# Altium PCB FPGA扩展板01.PcbDoc (continued)
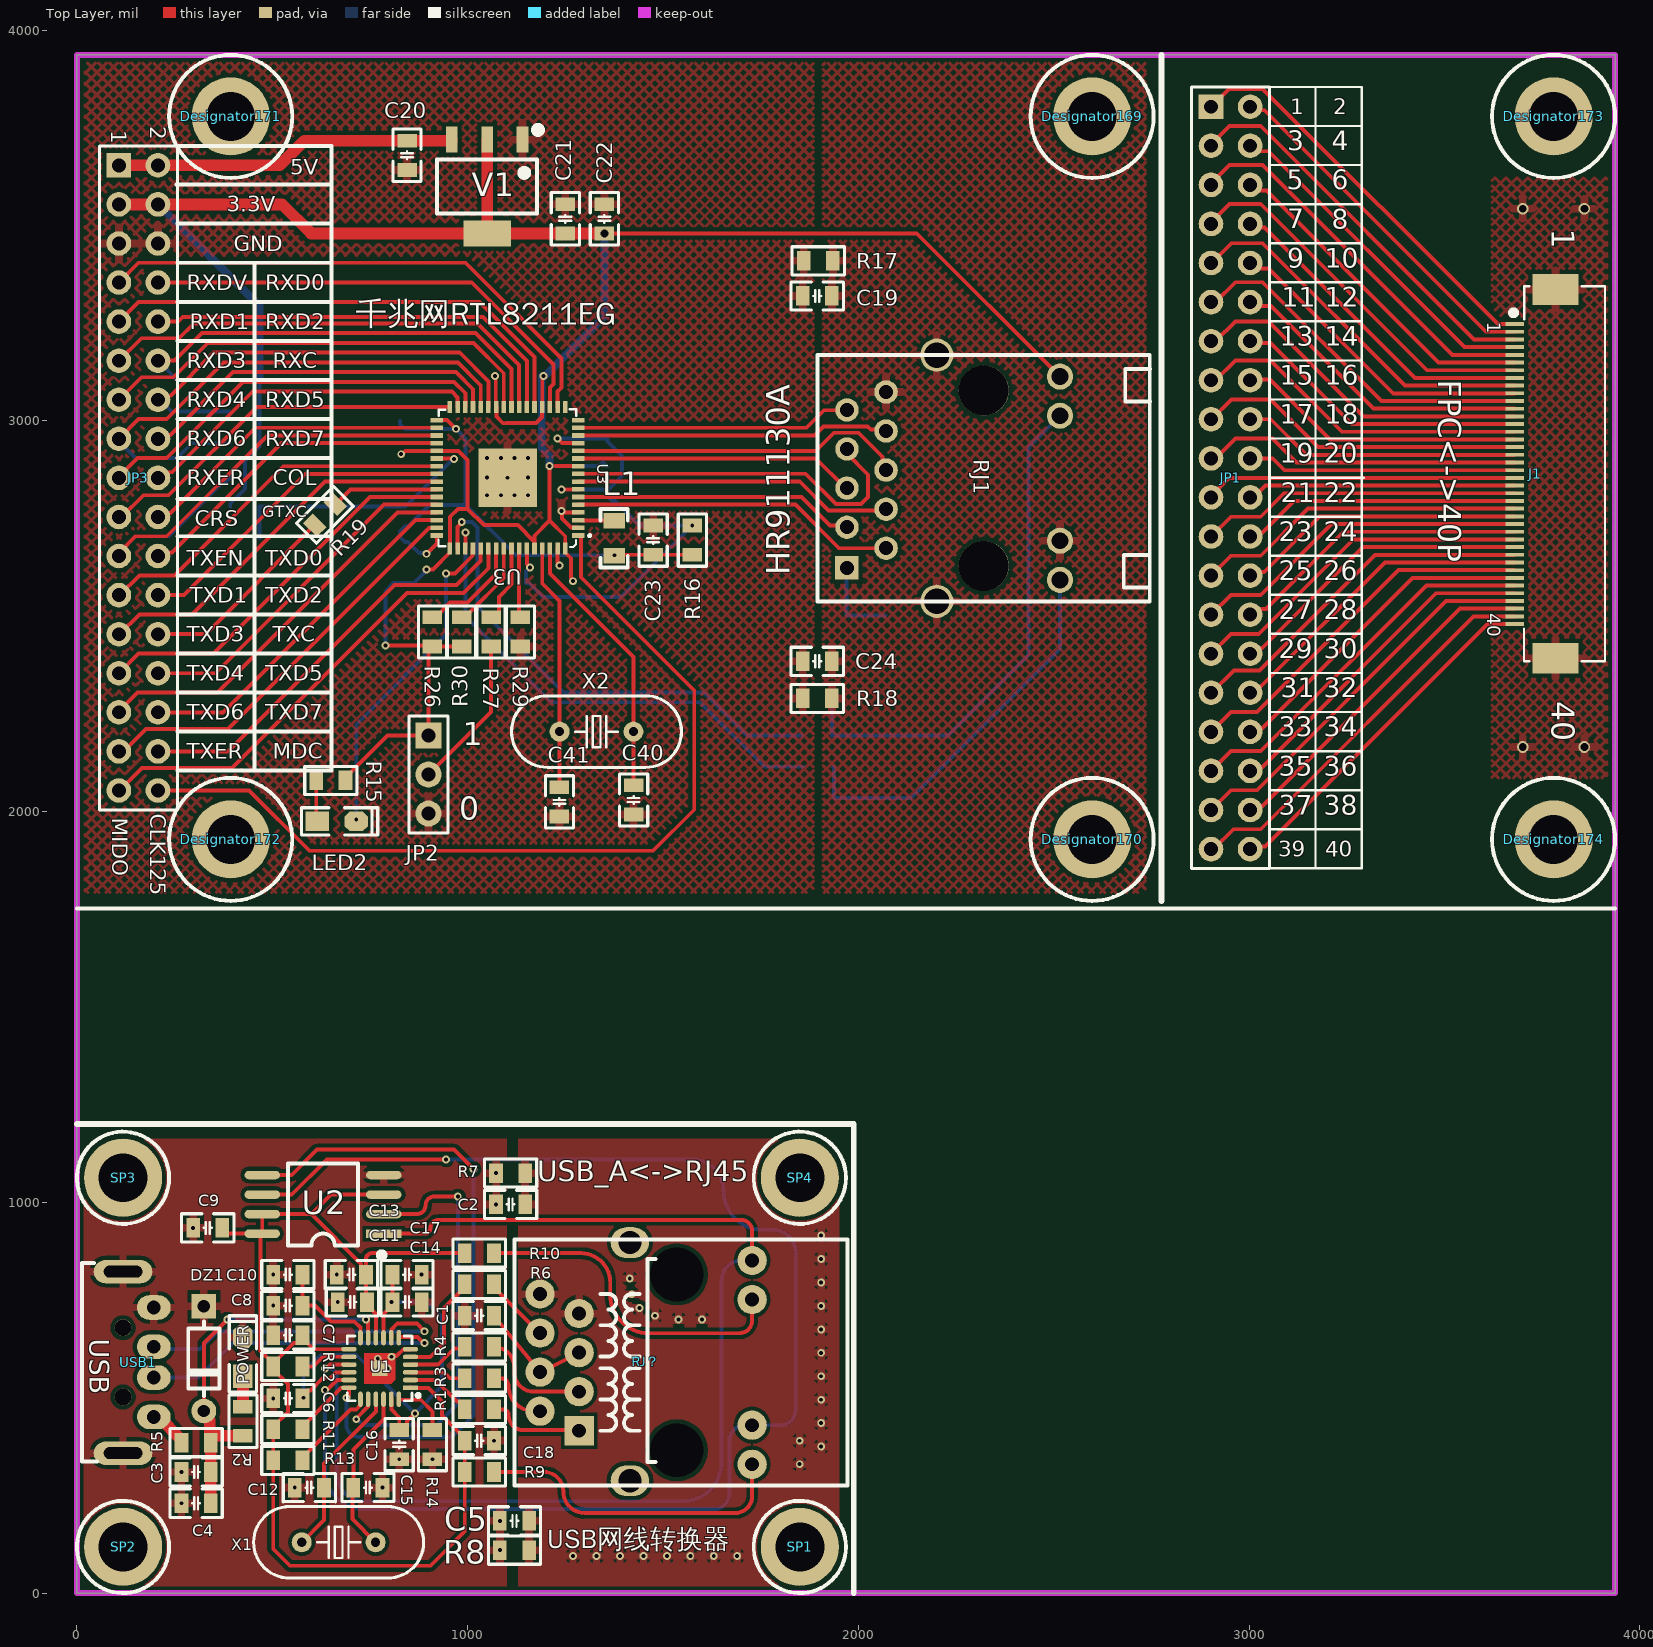
[diagram p0: Top Layer view]
## Nets (pads, with @x,y where several pads share a name; then routed paths per layer and width w, separated by ;. In a path a pad name is that pad's centre, name@x,y a point inside that pad or via, vN(x,y) a via of type N, cw(c..) or ccw(c..) an arc to the next point about the centre after c; other vN are vias at no path point)
1: J1.1 JP1.1 | length 1045.5
  Top Layer w10: JP1.1 2948.43,3850 3035,3850 3636.97,3248.03 J1.1
1V2_VDD: C6.2 C14.1 C16.2 C17.1 U1.9 U1.16 U1.23 | length 1323.9
  Top Layer w10: C6.2 577.4,505.83 589.9,518.33 597.4,518.33 629.07,550 647.37,550 662.53,565.16 U1.16 ; U1.9 784.84,714.74 807.6,737.5 C14.1 C17.1 ; U1.23 804.87,495.91 804.87,470.03 825,449.9 C16.2 832.5,417.4 845,429.9 845,440 v1(865,460)
  Bottom Layer w10: v1(580,500) 580,565 625,610 715,610 v1(865,460) 935,530 935,705 895,745 v1(805,745)
2: J1.2 JP1.2 | length 915.8
  Top Layer w10: JP1.2 3011.68,3795.41 3039.59,3795.41 3606.65,3228.35 J1.2
3: J1.3 JP1.3 | length 1026.5
  Top Layer w10: JP1.3 2902.76,3707.76 2950,3755 3030,3755 3576.34,3208.66 J1.3
3V3_VDD: C7.1 C9.2 C11.1 C13.1 C18.1 R9.1 R10.1 R11.2 R12.2 R13.1 U1.1 U1.10 U1.13 U2.3 U2.7 U2.8 | length 3270.3
  Top Layer w10: C9.2 372.4,932.5 384.9,920 U2.8 ; U1.13 605.7,624.21 577.4,652.5 564.9,640 555.1,640 R12.2@502.6,587.5 ; U1.10 765.16,714.75 742.4,737.5 C11.1 cw(c742.4,747.41) 740,747.41 C13.1 727.5,827.5 C13.1@727.5,835 ; U2.3 650,1020 600,970 ; U1.1 854.53,525 900,525 935,490 935,455.09 992.6,397.5 C18.1 R9.1 992.6,157.6 905,70 545,70 502.6,112.4 R13.1 R11.2 502.6,426.66 540,464.06 540,535.1 502.6,572.5 R12.2 R12.2@502.6,587.5 ; R10.1 755,870 ccw(c755,855) 740,855 740,822.5 C13.1@727.5,835 ; U2.8 470,915.51 470,620.1 R12.2@502.6,587.5 ; U2.8 U2.7 600,970 ; 600,970 727.5,842.5 C13.1@727.5,835
4: J1.4 JP1.4 | length 890.7
  Top Layer w10: JP1.4 3017.1,3704.33 3031.02,3690.41 3049.59,3690.41 3551.02,3188.98 J1.4
5: J1.5 JP1.5 | length 1001.4
  Top Layer w10: JP1.5 2902.76,3607.76 2950,3655 3035,3655 3520.71,3169.29 J1.5
5V_USB: C3.1 C4.1 DZ1.2 R2.1 R5.2 U1.11 | length 999.9
  Top Layer w10: DZ1.2@325,457.21 DZ1.2 325,640 v1(385,700) ; v1(740,700) 745.47,694.53 U1.11
  Top Layer w30: DZ1.2@325,457.21 339.9,442.32 339.9,387.5 R5.2 ; C4.1 342.4,377.49 R5.2 ; R2.1 352.5,402.6 342.4,392.5 R5.2
  Bottom Layer w10: v1(385,700) v1(740,700)
6: J1.6 JP1.6 | length 865.6
  Top Layer w10: JP1.6 3017.1,3604.33 3031.02,3590.41 3044.59,3590.41 3485.39,3149.61 J1.6
7: J1.7 JP1.7 | length 976.3
  Top Layer w10: JP1.7 2902.76,3507.76 2950,3555 3030,3555 3455.08,3129.92 J1.7
8: J1.8 JP1.8 | length 840.5
  Top Layer w10: JP1.8 3011.68,3495.41 3039.59,3495.41 3424.76,3110.24 J1.8
9: J1.9 JP1.9 | length 949.2
  Top Layer w10: JP1.9 2904.33,3404.33 2955,3455 3035,3455 3399.45,3090.55 J1.9
10: J1.10 JP1.10 | length 815.4
  Top Layer w10: JP1.10 3017.1,3404.33 3031.02,3390.41 3049.59,3390.41 3369.13,3070.87 J1.10
11: J1.11 JP1.11 | length 924.1
  Top Layer w10: JP1.11 2914.33,3304.33 2965,3355 3035,3355 3338.82,3051.18 J1.11
12: J1.12 JP1.12 | length 790.3
  Top Layer w10: JP1.12 3012.9,3294.19 3055.81,3294.19 3318.5,3031.5 J1.12
13: J1.13 JP1.13 | length 899
  Top Layer w10: JP1.13 2914.33,3204.33 2965,3255 3050,3255 3293.19,3011.81 J1.13
14: J1.14 JP1.14 | length 765.1
  Top Layer w10: JP1.14 3007.09,3200 3055,3200 3262.87,2992.13 J1.14
15: J1.15 JP1.15 | length 873.9
  Top Layer w10: JP1.15 2914.33,3104.33 2965,3155 3055,3155 3237.56,2972.44 J1.15
16: J1.16 JP1.16 | length 741.9
  Top Layer w10: JP1.16 3005.03,3106.61 3053.39,3106.61 3207.24,2952.76 J1.16
17: J1.17 JP1.17 | length 848.7
  Top Layer w10: JP1.17 2904.33,3004.33 2955,3055 3055,3055 3176.93,2933.07 J1.17
18: J1.18 JP1.18 | length 714.9
  Top Layer w10: JP1.18 3055.67,3004.33 3146.61,2913.39 J1.18
19: J1.19 JP1.19 | length 823.6
  Top Layer w10: JP1.19 2914.33,2904.33 2965,2955 3060,2955 3121.3,2893.7 J1.19
20: J1.20 JP1.20 | length 689.8
  Top Layer w10: JP1.20 3060.67,2904.33 3090.98,2874.02 J1.20
21: J1.21 JP1.21 | length 800
  Top Layer w10: JP1.21 2902.76,2807.76 2949.33,2854.33 J1.21
22: J1.22 JP1.22 | length 689.8
  Top Layer w10: JP1.22 3012.23,2804.33 3042.54,2834.65 J1.22
23: J1.23 JP1.23 | length 823.1
  Top Layer w10: JP1.23 2953.43,2755 3030,2755 3089.96,2814.96 J1.23
24: J1.24 JP1.24 | length 714.9
  Top Layer w10: JP1.24 3012.9,2714.47 3034.47,2714.47 3115.28,2795.28 J1.24
25: J1.25 JP1.25 | length 848.2
  Top Layer w10: JP1.25 2953.43,2655 3030,2655 3150.59,2775.59 J1.25
26: J1.26 JP1.26 | length 740
  Top Layer w10: JP1.26 3012.35,2613.92 3038.92,2613.92 3180.91,2755.91 J1.26
27: J1.27 JP1.27 | length 873.3
  Top Layer w10: JP1.27 2953.43,2555 3030,2555 3211.22,2736.22 J1.27
28: J1.28 JP1.28 | length 765.1
  Top Layer w10: JP1.28 3017.1,2504.33 3031.69,2518.92 3043.92,2518.92 3241.54,2716.54 J1.28
29: J1.29 JP1.29 | length 898.4
  Top Layer w10: JP1.29 2953.43,2455 3025,2455 3266.85,2696.85 J1.29
30: J1.30 JP1.30 | length 790.3
  Top Layer w10: JP1.30 3017.1,2404.33 3031.69,2418.92 3033.92,2418.92 3292.17,2677.17 J1.30
31: J1.31 JP1.31 | length 923.5
  Top Layer w10: JP1.31 2904.33,2304.33 2961.83,2361.83 3026.83,2361.83 3322.48,2657.48 J1.31
32: J1.32 JP1.32 | length 815.4
  Top Layer w10: JP1.32 3014.33,2304.33 3347.8,2637.8 J1.32
33: J1.33 JP1.33 | length 948.6
  Top Layer w10: JP1.33 2953.43,2255 3020,2255 3383.11,2618.11 J1.33
34: J1.34 JP1.34 | length 840.5
  Top Layer w10: JP1.34 3012.9,2214.47 3034.47,2214.47 3418.43,2598.43 J1.34
35: J1.35 JP1.35 | length 973.8
  Top Layer w10: JP1.35 2953.43,2155 3030,2155 3453.74,2578.74 J1.35
36: J1.36 JP1.36 | length 865.6
  Top Layer w10: JP1.36 3012.9,2114.47 3034.47,2114.47 3479.06,2559.06 J1.36
37: J1.37 JP1.37 | length 998.9
  Top Layer w10: JP1.37 2953.43,2055 3020,2055 3504.37,2539.37 J1.37
38: J1.38 JP1.38 | length 890.7
  Top Layer w10: JP1.38 3012.9,2014.47 3034.47,2014.47 3539.69,2519.69 J1.38
39: J1.39 JP1.39 | length 1024
  Top Layer w10: JP1.39 2909.33,1904.33 2960,1955 3030,1955 3575,2500 J1.39
40: J1.40 JP1.40 | length 915.8
  Top Layer w10: JP1.40 3009.85,1911.42 3041.42,1911.42 3610.32,2480.32 J1.40
+5: C20.2 JP3.1 JP3.2 V1.3 | length 880.6
  Top Layer w30: JP3.1 JP3.2 519.33,3654.33 582.4,3717.4 C20.2 959.21,3717.4 959.45,3717.63 V1.3
A1V0: C31.2 C32.2 C33.2 R16.2 U3.7 U3.13 U3.59 | length 1389.5
  Top Layer w10: U3.59 1151.6,2633.4 v1(1160,2625) ; v1(1230,2955) 1241.79,2943.21 U3.13 ; v1(1240,2825) 1240.05,2825.05 1283.44,2825.05 U3.7
  Bottom Layer w10: v1(1160,2625) 1160,2624.52 1150,2614.52 C33.2 1157.5,2585 1192.5,2550 1392.6,2550 v1(1575,2732.4) 1440.2,2732.4 1377.6,2795 1370.1,2795 1357.6,2807.5 C31.2 ; v1(1230,2955) C32.2 1357.6,2947.5 1395,2910.1 1395,2859.9 1357.6,2822.5 C31.2 ; v1(1240,2825) 1347.6,2825 C31.2
AGND: C19.1 C20.1 C21.1 C22.1 C23.1 C24.1 C25.1 C26.1 C27.1 C28.1 C29.1 C30.1 C31.1 C32.1 C33.1 C34.1 C35.1 C38.2 C39.2 C40.2 C41.2 C42.2 JP2.3 JP3.5 JP3.6 R17.1 R18.1 R21.1 R29.1 U3.2 U3.4 U3.63 U3.65 V1.1 | length 162.2
  Top Layer w10: U3.63 1230.34,2637.36 1235,2632.71 v1(1235,2630) ; U3.2 1282.59,2727.59 1265.06,2727.59 1241.91,2750.73 1241.91,2768.09 v1(1240,2770) 1242.71,2770 1246.66,2766.05 U3.4
  other v1: 1050,2810 1085,2810 1120,2810 1155,2810 1050,2855 1102.39,2854.63 1155,2855 1050,2905 1085,2905 1120,2905 1155,2905
CLK125: JP3.34 U3.1 | length 2308
  Top Layer w10: JP3.34 440.67,2054.33 595,1900 1475,1900 1580,2005 1580,2310 1290,2600 1290,2706.09 1289.09,2706.99 U3.1
D1V0: C23.2 C34.2 C35.2 L1.2 R16.1 U3.33 U3.48 | length 1407.9
  Top Layer w10: v1(895,2660) 921.29,2686.29 U3.48 ; U3.33 947.73,3002.27 v1(970,2980) ; L1.2 v1(1376.3,2656.3) 1377.6,2657.6 R16.1
  Bottom Layer w10: C34.2 827.4,2992.5 839.9,2980 v1(970,2980) 995,2955 995,2785 ; v1(895,2660) 893.09,2661.91 875.49,2661.91 847.4,2690 839.9,2690 827.4,2702.5 C35.2 827.4,2717.5 839.9,2730 847.4,2730 902.4,2785 995,2785 ; v1(1376.3,2656.3) 1123.7,2656.3 995,2785
D3V3: C21.2 C22.2 C25.2 C26.2 C27.2 C28.2 C29.2 C30.2 JP2.1 JP3.3 JP3.4 R15.1 R23.1 R24.1 R25.1 R26.1 R28.1 R30.1 RJ1.14 U3.10 U3.20 U3.26 U3.37 U3.49 U3.60 U3.64 V1.2 | length 7094.4
  Top Layer w10: R15.1 687.4,2087.5 794.9,2195 JP2.1 900,2412.6 R26.1 ; v1(790,2425) 907.6,2425 R26.1 ; v1(830,2915) 832.71,2915 841.24,2923.53 U3.37 976.47,2923.53 1000,2900 1000,2775 ; v1(895,2620) 911.07,2620 955,2663.93 955,2755 975,2775 1000,2775 ; R30.1 R26.1 ; v1(1070.09,3114.91) 1071.96,3113.04 1071.96,3038.77 1073.93,3036.8 U3.26 1073.77,3034.83 1073.77,3011.23 1090.86,2994.14 1099.14,2994.14 1100,2995 1175,2995 1190.07,3010.07 1190.07,3034.83 U3.20 1190.97,3111.31 v1(1194.66,3115) ; 1170.39,2691.96 1128.87,2733.48 1041.52,2733.48 1000,2775 ; U3.60 1171.29,2706.29 1210,2745 ; v1(1210,2885) 1210,2745 ; 1225,2885 1245.12,2885 ; 1225.42,2884.58 1283.07,2884.58 U3.10 ; v1(1270,2590) 1270,2592.71 1265,2597.71 1265,2648.72 1250.03,2663.69 1250.03,2704.97 1210,2745 ; v2(1350,3480) 2149.5,3480 RJ1.14
  Top Layer w30: JP3.3 JP3.4 525,3554.33 599.33,3480 V1.2@1050,3480 ; V1.2@1050,3720 V1.2@1050,3480 ; v2(1350,3480) C21.2 V1.2@1050,3480
  Bottom Layer w10: R28.1 392.6,2788.5 430,2825.9 430,2898.09 467.4,2935.5 R25.1 R24.1 R23.1 ; v1(790,2425) 790,2564.14 810.86,2585 C27.2 862.5,2585 895,2617.5 v1(895,2620) ; v1(1210,2885) 1335.93,2885 1345.93,2895 1356.77,2884.16 C30.2
  Bottom Layer w20: JP3.4 467.4,3294.41 R23.1 ; C28.2 1190,2930 1210,2910 v1(1210,2885) ; v1(1194.66,3115) 1197.5,3115 1350,3267.5 v2(1350,3480)
DGND: C19.2 C24.2 C36.2 C37.2 R17.2 R18.2 RJ1.12 RJ1.P10 RJ1.SHIELD0 RJ1.SHIELD1
E_COL: JP3.18 U3.31 | length 889.2
  Top Layer w10: JP3.18 221.82,2854.33 236.27,2868.78 243.78,2868.78 450,3075 960,3075 974.44,3060.56 U3.31
E_CRS: JP3.19 U3.32 | length 963.8
  Top Layer w10: JP3.19 114.33,2754.33 170,2810 235,2810 460.73,3035.73 U3.32
E_ENSWREG: R27.2 U3.57 | length 202.2
  Top Layer w10: R27.2 1067.5,2497.4 1080,2509.9 1080,2550 1112.23,2582.23 U3.57
E_GTXC: JP3.20 U3.34 | length 808.4
  Top Layer w10: JP3.20 217.62,2764.47 239.47,2764.47 457.58,2982.58 U3.34
E_LED0: C38.1 R20.2 RJ1.13 | length 1324.5
  Bottom Layer w10: C38.1 R20.2 2230,2195 2436,2401 2436,2933.39 RJ1.13
E_LED1: C39.1 R22.2 RJ1.11 | length 994.9
  Bottom Layer w10: R22.2 1937.4,2112.6 C39.1 2135,2035 2516.06,2416.06 RJ1.11
E_MDC: JP3.32 U3.53 | length 1059.6
  Top Layer w10: JP3.32 386.81,2154.33 812.48,2580 971.62,2580 1033.49,2641.88 U3.53
E_MDI0+: RJ1.P2 U3.5 | length 833.7
  Top Layer w10: U3.5 1839.27,2785.73 1950.66,2674.34 RJ1.P2
E_MDI0-: RJ1.P3 U3.6 | length 719.5
  Top Layer w10: U3.6 1854.58,2805.42 1927.09,2732.91 1966.39,2732.91 RJ1.P3
E_MDI1+: RJ1.P4 U3.8 | length 819.3
  Top Layer w10: U3.8 1850.21,2844.79 1923.76,2771.24 2067.96,2771.24 RJ1.P4
E_MDI1-: RJ1.P7 U3.9 | length 926.9
  Top Layer w10: U3.9 1284.02,2865 1865,2865 1942.76,2787.24 2007.24,2787.24 2025,2805 2025,2862.42 1971.06,2916.36 RJ1.P7
E_MDI2+: RJ1.P5 U3.11 | length 718.9
  Top Layer w10: U3.11 1891.16,2903.84 1966.76,2828.24 RJ1.P5
E_MDI2-: RJ1.P6 U3.12 | length 860.8
  Top Layer w10: U3.12 1891.17,2923.53 1937.64,2970 2000,2970 2061.54,2908.46 2061.54,2883.86 RJ1.P6
E_MDI3+: RJ1.P8 U3.14 | length 802
  Top Layer w10: U3.14 1887.9,2962.9 1911,2986 2024,2986 2031.91,2978.09 2067.31,2978.09 RJ1.P8
E_MDI3-: RJ1.P9 U3.15 | length 706.5
  Top Layer w10: U3.15 1867.58,2982.58 1912.5,3027.5 1970.31,3027.5 RJ1.P9
E_MIDO: JP3.33 U3.54 | length 1231.7
  Top Layer w10: JP3.33 109.33,2054.33 166.83,2111.83 396.83,2111.83 845,2560 990,2560 1053.18,2623.18 U3.54
E_PME: R26.2 U3.55 | length 274.3
  Top Layer w10: R26.2 917.5,2497.4 955.1,2535 1000,2535 1072.86,2607.86 U3.55
E_RESET: C42.1 R28.2 U3.38 | length 673.2
  Top Layer w10: U3.38 963.69,2903.84 v1(965,2902.53)
  Bottom Layer w10: C42.1 R28.2 841,2781 962.53,2902.53 v1(965,2902.53)
E_RXC: JP3.12 R23.2 U3.24 | length 1274.8
  Top Layer w10: JP3.12 249.33,3154.33 320,3225 1020,3225 1112.23,3132.77 U3.24
  Bottom Layer w10: JP3.12 256.81,3105 R23.2
E_RXD0: JP3.8 U3.19 | length 1212.4
  Top Layer w10: JP3.8 1010.67,3354.33 1220,3145 1220,3095 1210.66,3085.66 U3.19
E_RXD1: JP3.9 U3.21 | length 1271.3
  Top Layer w10: JP3.9 158.15,3305 1030,3305 1171.29,3163.71 U3.21
E_RXD2: JP3.10 U3.22 | length 1113.3
  Top Layer w10: JP3.10 259.33,3254.33 271,3266 1039,3266 1151.6,3153.4 U3.22
E_RXD3: JP3.11 U3.23 | length 1215.7
  Top Layer w10: JP3.11 164.98,3211.83 261.83,3211.83 300,3250 1025,3250 1131.92,3143.08 U3.23
E_RXD4: JP3.13 U3.25 | length 1164.1
  Top Layer w10: JP3.13 164.98,3111.83 246.83,3111.83 335,3200 1014.7,3200 1092.55,3122.15 U3.25
E_RXD5: JP3.14 R24.2 U3.27 | length 1190.4
  Top Layer w10: JP3.14 217.62,3064.47 239.47,3064.47 350,3175 980,3175 1054,3101 1054,3036.55 U3.27
  Bottom Layer w10: JP3.14 212.57,3054.33 242.9,3024 R24.2
E_RXD6: JP3.15 R25.2 U3.28 | length 1412.5
  Top Layer w10: JP3.15 158.15,3005 230,3005 375,3150 975,3150 1033.69,3091.31 1033.69,3035.92 U3.28
  Bottom Layer w10: JP3.15 107.48,2947.52 150,2905 256.05,2905 294.05,2943 R25.2
E_RXD7: JP3.16 U3.29 | length 940.6
  Top Layer w10: JP3.16 217.62,2964.47 239.47,2964.47 400,3125 970,3125 1013.81,3081.19 U3.29
E_RXDV: JP3.7 U3.18 | length 1383.3
  Top Layer w10: JP3.7 158.15,3405 995,3405 1240,3160 1240,3085 1230.34,3075.34 U3.18
E_RXER: JP3.17 U3.30 | length 1037.5
  Top Layer w10: JP3.17 107.48,2857.48 155,2905 230,2905 425,3100 965,3100 994.12,3070.88 U3.30
E_TXC: JP3.26 R19.1 | length 516.7
  Top Layer w10: JP3.26 208.15,2455 330,2455 R19.1
E_TXD0: JP3.22 U3.36 | length 833.5
  Top Layer w10: JP3.22 216.93,2663.78 243.78,2663.78 523.21,2943.21 U3.36
E_TXD1: JP3.23 U3.39 | length 950.4
  Top Layer w10: JP3.23 109.33,2554.33 160,2605 250,2605 529.16,2884.16 U3.39
E_TXD2: JP3.24 U3.40 | length 842.3
  Top Layer w10: JP3.24 274.33,2554.33 584.47,2864.47 U3.40
E_TXD3: JP3.25 U3.41 | length 975.5
  Top Layer w10: JP3.25 109.33,2454.33 160,2505 295,2505 634.79,2844.79 U3.41
E_TXD4: JP3.27 U3.43 | length 1000.7
  Top Layer w10: JP3.27 158.15,2405 350,2405 750,2805 920.87,2805 U3.43
E_TXD5: JP3.28 U3.44 | length 892.5
  Top Layer w10: JP3.28 354.33,2354.33 785.73,2785.73 U3.44
E_TXD6: JP3.29 U3.45 | length 1027.6
  Top Layer w10: JP3.29 107.48,2257.48 155,2305 360,2305 821.05,2766.05 U3.45
E_TXD7: JP3.30 U3.46 | length 917.6
  Top Layer w10: JP3.30 374.33,2254.33 866.36,2746.36 U3.46
E_TXEN: JP3.21 R21.2 U3.35 | length 1326.7
  Top Layer w10: JP3.21 107.48,2662.48 150,2705 230,2705 487.9,2962.9 U3.35
  Bottom Layer w10: JP3.21 107.48,2662.48 150,2705 235.61,2705 372.6,2841.99 380.1,2841.99 392.6,2854.49 R21.2
E_TXER: JP3.31 U3.47 | length 1050.9
  Top Layer w10: JP3.31 119.33,2154.33 176.83,2211.83 386.83,2211.83 900.78,2725.78 920.39,2725.78 U3.47
GND: C1.2 C2.1 C3.2 C4.2 C5.1 C6.1 C7.2 C8.2 C9.1 C10.2 C11.2 C12.1 C13.2 C14.2 C15.1 C16.1 C17.2 C18.2 DZ1.1 POWER.2 R7.1 R8.1 R14.2 U1.6 U1.25 U2.4 USB1.4 | length 129.1
  Top Layer w10: v1(805,605) 806.91,606.91 818.44,606.91 835.39,623.87 853.39,623.87 U1.6
  Bottom Layer w10: v1(795,575) v1(770,600) 772.71,600 777.71,605 v1(805,605)
  other v1: 1082.6,110 1082.6,185 267.6,230 557.6,270 782.4,270 267.6,310 825,342.6 910,342.6 1067.4,390 502.6,498.33 502.6,735.84 667.6,745 502.6,815 665.2,815 882.4,815 297.6,935 1072.6,995 1072.6,1075
GND-1: J1.A J1.B
  other v2: 3700.79,2165.35 3858.27,2165.35 3700.79,3543.31 3858.27,3543.31
GNDF: C2.2 C5.2 R7.2 R8.2 RJ？.7 RJ？.8
  other v1: 1270,95 1330,95 1390,95 1450,95 1510,95 1570,95 1630,95 1690,95 1850,330 1905,375 1850,390 1905,435 1905,495 1905,555 1905,615 1905,675 1540,700 1600,700 1480,710 1440,730 1905,735 1420,765 1905,795 1415,805 1905,855 1905,915
LED0/SPISB: RJ？.12 U1.15 U2.1 | length 3065.8
  Top Layer w10: v1(635,575) 637.71,575 647.55,584.84 U1.15 ; U2.1 890,920 ccw(c890,935) 905,935 cw(c925,935) 925,955 1700,955 cw(c1700,926.65) 1728.35,926.65 RJ？.12
  Bottom Layer w10: v1(635,575) 645.25,575 cw(c645.25,555.25) 665,555.25 665,305 ccw(c735,305) 735,235 1550,235 ccw(c1550,335) 1650,335 1650,800 cw(c1701.37,800) 1701.37,851.37 RJ？.12
LED1/SPISCK: RJ？.10 U1.17 U2.6 | length 3682.4
  Top Layer w10: U2.6 550,1020 640,1110 v1(945,1110) ; v1(635,520) 640,520 665.47,545.47 U1.17
  Bottom Layer w10: v1(635,520) 635,315 ccw(c735,315) 735,215 1630,215 ccw(c1630,255) 1670,255 1670,390 cw(c1709.72,390) 1709.72,429.72 RJ？.10 1800.28,429.72 ccw(c1800.28,469.45) 1840,469.45 1840,870 ccw(c1780,870) 1780,930 1755,930 cw(c1755,1030) 1655,1030 ccw(c1575,1030) 1575,1110 v1(945,1110)
LED2: LED2.2 U3.52 | length 830.7
  Top Layer w10: v1(945,2610) 967.8,2610 1012.91,2655.1 1012.91,2672.63 U3.52
  Bottom Layer w10: v1(715,1980) 715,2223.65 945,2453.65 v1(945,2610)
NetC1_1: C1.1 RJ？.4 RJ？.5 | length 298.5
  Top Layer w10: C1.1 1100.92,668.98 1173,580.77 RJ？.4 1282.94,613.05 RJ？.5
NetC8_1: C8.1 C10.1 U1.12 | length 276.5
  Top Layer w10: C10.1 C8.1 609.16,735.84 650,695 710,695 725.44,679.56 725.44,654.09 U1.12
NetC36_1: C36.1 C37.1 RJ1.P1 | length 221.7
  Bottom Layer w10: RJ1.P1 1970,2623 C37.1 C36.1
NetC40_1: C40.1 U3.62 X2.2 | length 697
  Top Layer w10: U3.62 1210.66,2609.34 1424.49,2395.51 X2.2 1424.49,2072.91 C40.1@1430,2067.4
NetC41_1: C41.1 U3.61 X2.1 | length 629
  Top Layer w10: U3.61 1190.97,2584.03 1235.51,2539.49 X2.1 1235.51,2069.29 C41.1@1240,2064.8
NetJP2_2: JP2.2 R27.1 | length 393.9
  Top Layer w10: JP2.2 1060,2255 R27.1
NetLED1_1: POWER.1 R2.2 | length 77.6
  Top Layer w30: R2.2 POWER.1
NetLED2_1: LED2.1 R15.2 | length 106
  Top Layer w10: R15.2 612.6,1977.4 LED2.1
NetR1_2: R1.2 RJ？.1 | length 248.9
  Top Layer w10: R1.2 1090,470 cw(c1090,455) 1105,455 ccw(c1142.95,455) 1142.95,417.05 1283.94,417.05 RJ？.1
NetR3_2: R3.2 RJ？.2 | length 166.2
  Top Layer w10: R3.2 1085,550 cw(c1085,530) 1105,530 ccw(c1169.45,530) 1105.4,522.81 ccw(c1169.45,530) 1169.45,465.55 RJ？.2
NetR4_2: R4.2 RJ？.3 | length 288.8
  Top Layer w10: R4.2 cw(c1067.4,577.59) 1119.8,577.59 1119.8,564.84 ccw(c1169.09,564.84) 1158.52,516.7 ccw(c1169.09,564.84) 1169.09,515.55 RJ？.3
NetR5_1: R5.1 USB1.1 | length 102.5
  Top Layer w30: USB1.1 209.02,451.07 267.6,392.5 R5.1
NetR6_2: R6.2 RJ？.6 | length 174
  Top Layer w10: R6.2 1067.4,782.5 1184.34,665.55 RJ？.6
NetR9_2: R9.2 RJ？.9 | length 827
  Top Layer w10: R9.2 1195,310 cw(c1195,260) 1245,260 ccw(c1300,260) 1300,205 1685,205 ccw(c1685,248.35) 1728.35,248.35 RJ？.9
NetR10_2: R10.2 RJ？.11 | length 862.9
  Top Layer w10: R10.2 1290,870 cw(c1290,795) 1365,795 1365,765 ccw(c1465,765) 1465,665 1695,665 ccw(c1695,698.35) 1728.35,698.35 RJ？.11
NetR12_1: R12.1 U1.14 | length 129.3
  Top Layer w10: R12.1 605,580 629.87,604.87 695.91,604.87 U1.14
NetR13_2: R13.2 U1.19 | length 224.7
  Top Layer w10: R13.2 577.4,347.5 699.9,470 715,470 724.88,479.88 724.88,481.08 725.44,481.64 U1.19@725.44,494.51
NetR14_1: R14.1 U1.24 | length 146.6
  Top Layer w10: U1.24 824.21,495.84 825.05,495 880,495 910,465 R14.1
NetR19_2: R19.2 U3.42 | length 275.9
  Top Layer w10: R19.2 700.11,2825.1 U3.42
NetR20_1: R20.1 U3.50 | length 1289.9
  Top Layer w10: U3.50 974.03,2673.95 974.03,2729.03 985,2740 v1(985,2741.25)
  Bottom Layer w10: v1(985,2741.25) 1011.25,2741.25 1025,2727.5 1025,2525 1245,2305 1605,2305 1715,2195 R20.1
NetR22_1: R22.1 U3.51 | length 1281.4
  Top Layer w10: U3.51 995.03,2674.44 v1(995.03,2714.97)
  Bottom Layer w10: v1(995.03,2714.97) 995.03,2499.97 1215,2280 1595,2280 1760,2115 R22.1
NetR29_2: R29.2 U3.58 | length 176.9
  Top Layer w10: R29.2@1130,2497.4 1131.92,2499.32 U3.58
NetR30_2: R30.2 U3.56 | length 225.1
  Top Layer w10: R30.2 992.5,2497.4 1005,2509.9 1092.55,2597.45 U3.56
REG_1V0: L1.1 U3.3 | length 92.1
  Top Layer w10: U3.3 1293.34,2746.36 1294.7,2745 L1.1
RX_N: R6.1 U1.5 | length 272.7
  Top Layer w10: U1.5 904.53,604.53 940,640 940,729.9 992.6,782.5 R6.1
RX_P: R4.1 U1.4 | length 157.6
  Top Layer w10: U1.4 924.84,584.84 965.95,625.95 988.55,625.95 R4.1
SPISDI: R11.1 U1.18 U2.5 | length 1848.8
  Top Layer w10: U2.5 550,1070 615,1135 965,1135 v1(1015,1085) ; R11.1 577.4,426.66 676.18,525.44 695.91,525.44 U1.18 696.26,506.26 v1(690,500)
  Bottom Layer w10: v1(690,500) 690,430 ccw(c720,430) 720,400 960,400 1015,455 v1(1015,1085)
SPISDO: U1.20 U2.2 | length 1098
  Top Layer w10: v1(715,445) 715,447.37 745.13,477.5 745.13,495.91 U1.20 ; U2.2 870,970 ccw(c870,992.5) 892.5,992.5 cw(c915,992.5) 915,1015 v1(975,1015)
  Bottom Layer w10: v1(715,445) 717.71,445 732.71,430 920,430 975,485 v1(975,1015)
TX_N: R3.1 U1.3 | length 145.1
  Top Layer w10: U1.3 939.84,565.16 955,550 R3.1
TX_P: R1.1 U1.2 | length 174.5
  Top Layer w10: U1.2 917.12,545.47 972.6,490 980.1,490 992.6,477.5 R1.1
USB_DM: U1.7 USB1.2 | length 802.5
  Top Layer w10: U1.7 824.21,654.16 825.05,655 872.29,655 887.29,640 v1(890,640)
  Bottom Layer w10: USB1.2 311.7,551.7 400,640 v1(890,640)
USB_DP: U1.8 USB1.3 | length 835
  Top Layer w10: U1.8 804.87,654.09 804.87,674.87 820,690 870,690 v1(890,670)
  Bottom Layer w10: USB1.3 202.29,625 315,625 360,670 v1(890,670)
XTAL1: C12.2 U1.21 X1.2 | length 444.8
  Top Layer w10: X1.2 632.4,186.89 C12.2 632.4,332.4 765.16,465.16 U1.21
XTAL2: C15.2 U1.22 X1.1 | length 424
  Top Layer w10: X1.1 705,189.49 705,267.4 C15.2 707.6,367.6 784.84,444.84 U1.22
pads on no net: Designator169.1 Designator170.1 Designator171.1 Designator172.1 Designator173.1 Designator174.1 RJ1. RJ？.0 SP1.1 SP2.1 SP3.1 SP4.1 U3.16 U3.17 USB1.0

## Polygon pours and split planes (outlines as drawn)
DGND on Top Layer "NONET_L01_P-001" (hatched 45Degree grid 20 track 8, remove dead copper, pour order 9): 1910,3940 1910,1770 1911.65,1771.65 2755.91,1771.65 2755.91,3937.01
AGND on Top Layer "NONET_L01_P-001" (hatched 45Degree grid 20 track 8, remove dead copper, pour order 7): 0,3937.01 0,1771.65 1883.35,1771.65 1885,1770 1885,3935
GND-1 on Top Layer "NONET_L01_P-001" (hatched 45Degree grid 20 track 8, remove dead copper, pour order 4): 3937.01,3622.05 3622.05,3622.05 3622.05,2086.61 3937.01,2086.61
GNDF on Top Layer "NONET_L01_P-001" (solid, remove dead copper, pour order 2): 1130,1180.04 1130,0 1968.5,0 1968.5,1181.1
GND on Top Layer "NONET_L01_P-001" (solid, remove dead copper, pour order 0): -5,1190 0,1185 0,0 1100,0 1100,1180
DGND on Bottom Layer "NONET_L01_P-001" (hatched 45Degree grid 20 track 8, remove dead copper, pour order 8): 2755.91,1771.65 2754.25,1770 1915,1770 1915,3940 1917.99,3937.01 2755.91,3937.01
AGND on Bottom Layer "NONET_L01_P-001" (hatched 90Degree grid 20 track 8, remove dead copper, pour order 6): 0,3937.01 0,1771.65 1880,1771.65 1880,3940
GND-1 on Bottom Layer "NONET_L01_P-001" (hatched 45Degree grid 20 track 8, pour order 5): 3622.05,3622.05 3937.01,3622.05 3937.01,2086.61 3622.05,2086.61
GNDF on Bottom Layer "NONET_L01_P-001" (solid, remove dead copper, pour order 3): 1130,1180 1130,0 1968.5,0 1968.5,1181.1
GND on Bottom Layer "NONET_L01_P-001" (solid, remove dead copper, pour order 1): 1.1,1181.1 0,1180 0,0 1100,0 1100,1180

## Keep-outs
Keep-Out Layer:
  the board outline again, w15

## Silkscreen, mask and mechanical layers (free items; w line width, h text height)
Top Overlay:
  lines w6: 3052.24,1855 3288.46,1855 3288.46,3855 3052.24,3855 ; 3052.24,1955 3288.46,1955 ; 3052.24,2055 3288.46,2055 ; 3052.24,2155 3288.46,2155 ; 3052.24,2255 3288.46,2255 ; 3052.24,2355 3288.46,2355 ; 3052.24,2455 3288.46,2455 ; 3052.24,2555 3288.46,2555 ; 3052.24,2655 3288.46,2655 ; 3052.24,2755 3288.46,2755 ; 3052.24,2955 3288.46,2955 ; 3052.24,3055 3288.46,3055 ; 3052.24,3155 3288.46,3155 ; 3052.24,3255 3288.46,3255 ; 3052.24,3355 3288.46,3355 ; 3052.24,3455 3288.46,3455 ; 3052.24,3555 3288.46,3555 ; 3052.24,3655 3288.46,3655 ; 3052.24,3755 3288.46,3755 ; 3057.24,2855 3293.46,2855 ; 3170.35,1855 3170.35,3855
  lines w10: 0,1751.97 3937.01,1751.97 ; 255,3605 651.22,3605 ; 257.52,2105 651.22,2105 651.22,3605 ; 257.52,2205 651.22,2205 ; 257.52,2305 651.22,2305 ; 257.52,2405 651.22,2405 ; 257.52,2505 651.22,2505 ; 257.52,2605 651.22,2605 ; 257.52,2705 651.22,2705 ; 257.52,2800 651.22,2800 ; 257.52,2905 651.22,2905 ; 257.52,3005 651.22,3005 ; 257.52,3105 651.22,3105 ; 257.52,3205 651.22,3205 ; 257.52,3305 651.22,3305 ; 257.52,3405 651.22,3405 ; 257.52,3505 651.22,3505 ; 257.85,3704.33 651.55,3704.33 ; 454.37,2105 454.37,3405 ; 651.22,3704 651.22,3605
  lines w15: 0,1200.79 1988.19,1200.79 1988.19,0 ; 2775.59,1771.65 2775.59,3937.01
  text "3" at 3097.4,3676 h84
  text "4" at 3211.35,3676.23 h84
  text "5V" at 546.68,3630.01 h40
  text "5" at 3097.17,3576.93 h84
  text "6" at 3212.21,3576 h84
  text "3.3V" at 383.13,3535.01 h40
  text "1" at 3755.71,3491.79 h100 r270
  text "7" at 3097.6,3476.93 h84
  text "8" at 3212.28,3476 h84
  text "GND" at 401.05,3435.01 h40
  text "9" at 3097.32,3376 h84
  text "10" at 3194.06,3376 h84
  text "RXDV" at 281.69,3335.01 h40
  text "RXD0" at 481.69,3335.01 h40
  text "11" at 3084.19,3276 h84
  text "12" at 3194.26,3276 h84
  text "RXD1" at 288.35,3235.01 h40
  text "RXD2" at 481.69,3235.01 h40
  text "千兆网RTL8211EG" at 713.9,3227.2 h100
  text "13" at 3078.99,3176 h84
  text "14" at 3194.1,3176 h84
  text "RXD3" at 281.69,3135.01 h40
  text "RXC" at 501.68,3135.01 h40
  text "FPC<->40P" at 3464.88,3105.6 h100 r270
  text "15" at 3078.79,3076 h84
  text "16" at 3193.99,3076 h84
  text "RXD4" at 281.69,3035.01 h40
  text "RXD5" at 481.69,3035.01 h40
  text "17" at 3078.99,2976 h84
  text "18" at 3193.95,2976 h84
  text "RXD6" at 281.69,2935.01 h40
  text "RXD7" at 481.69,2935.01 h40
  text "19" at 3078.95,2876 h84
  text "20" at 3190.99,2876 h84
  text "RXER" at 281.69,2835.01 h40
  text "COL" at 501.68,2835.01 h40
  text "21" at 3081.12,2776 h84
  text "22" at 3191.19,2776 h84
  text "GTXC" at 475.02,2754.01 h30
  text "CRS" at 301.68,2730.01 h40
  text "23" at 3075.92,2676 h84
  text "24" at 3191.03,2676 h84
  text "TXEN" at 281.69,2630.01 h40
  text "TXD0" at 481.69,2630.01 h40
  text "HR911130A" at 1824.98,2605.08 h60 r90
  text "25" at 3075.72,2576 h84
  text "26" at 3190.92,2576 h84
  text "TXD1" at 288.35,2535.01 h40
  text "TXD2" at 481.69,2535.01 h40
  text "27" at 3075.92,2476 h84
  text "28" at 3190.88,2476 h84
  text "TXD3" at 281.69,2435.01 h40
  text "TXC" at 501.68,2435.01 h40
  text "29" at 3075.88,2376 h84
  text "30" at 3191.58,2376 h84
  text "TXD4" at 281.69,2335.01 h40
  text "TXD5" at 481.69,2335.01 h40
  text "40" at 3755.71,2282.13 h100 r270
  text "31" at 3081.71,2276 h84
  text "32" at 3191.77,2276 h84
  text "TXD6" at 281.69,2235.01 h40
  text "TXD7" at 481.69,2235.01 h40
  text "33" at 3076.5,2176 h84
  text "34" at 3191.62,2176 h84
  text "1" at 988.21,2150.71 h100
  text "TXER" at 281.69,2135.01 h40
  text "MDC" at 501.68,2135.01 h40
  text "35" at 3076.31,2076 h84
  text "36" at 3191.5,2076 h84
  text "37" at 3076.5,1976 h84
  text "38" at 3191.46,1976 h84
  text "0" at 979.09,1960.71 h100
  text "USB_A<->RJ45" at 1178.2,1036.36 h90
  text "USB网线转换器" at 1204.36,98.07 h84

## Text inside footprints (layer, text, board x,y; h text height)
J1: Top Overlay "40" at 3610,2508.03 h35 r270; Top Overlay "1" at 3609.43,3253.61 h35 r270
JP1: Top Overlay "1" at 3105,3785 h40; Top Overlay "2" at 3215,3785 h40; Top Overlay "40" at 3195,1885 h40; Top Overlay "39" at 3075,1885 h40
JP3: Top Overlay "2" at 187.48,3754.33 h40 r270; Top Overlay "1" at 87.48,3744.33 h40 r270; Top Overlay "MIDO" at 90,1985 h40 r270; Top Overlay "CLK125" at 187.48,1994.33 h40 r270
U3: Mechanical 9 "35" at 921.29,2982.9 h25 r90; Mechanical 9 "34" at 921.29,3002.58 h25 r90; Mechanical 9 "38" at 921.29,2923.84 h25 r90; Mechanical 9 "40" at 921.29,2884.47 h25 r90; Mechanical 9 "41" at 921.29,2864.79 h25 r90; Mechanical 9 "3" at 1283.49,2756.36 h25 r90; Mechanical 9 "33" at 921.29,3022.27 h25 r90; Mechanical 9 "48" at 921.29,2726.99 h25 r90; Mechanical 9 "59" at 1151.6,2693.53 h25 r90; Mechanical 9 "7" at 1283.49,2835.1 h25 r90; Mechanical 9 "13" at 1283.49,2963.21 h25 r90; Mechanical 9 "5" at 1283.49,2795.73 h25 r90; Mechanical 9 "6" at 1283.49,2815.42 h25 r90; Mechanical 9 "8" at 1283.49,2854.79 h25 r90; Mechanical 9 "9" at 1283.49,2874.47 h25 r90; Mechanical 9 "11" at 1283.49,2923.84 h25 r90; Mechanical 9 "12" at 1283.49,2943.53 h25 r90; Mechanical 9 "14" at 1283.49,2982.9 h25 r90; Mechanical 9 "15" at 1283.49,3002.58 h25 r90; Mechanical 9 "51" at 994.12,2693.53 h25 r90; Mechanical 9 "50" at 974.44,2693.53 h25 r90; Mechanical 9 "57" at 1112.23,2693.53 h25 r90; Mechanical 9 "55" at 1072.86,2693.53 h25 r90; Mechanical 9 "31" at 974.44,3055.73 h25 r90; Mechanical 9 "32" at 954.75,3055.73 h25 r90; Mechanical 9 "46" at 921.29,2766.36 h25 r90; Mechanical 9 "45" at 921.29,2786.05 h25 r90; Mechanical 9 "44" at 921.29,2805.73 h25 r90; Mechanical 9 "43" at 921.29,2825.42 h25 r90; Mechanical 9 "39" at 921.29,2904.16 h25 r90; Mechanical 9 "36" at 921.29,2963.21 h25 r90; Mechanical 9 "47" at 921.29,2746.68 h25 r90; Mechanical 9 "54" at 1053.18,2693.53 h25 r90; Mechanical 9 "53" at 1033.49,2693.53 h25 r90; Mechanical 9 "1" at 1283.49,2716.99 h25 r90; Mechanical 9 "52" at 1013.81,2693.53 h25 r90; Mechanical 9 "16" at 1283.49,3022.27 h25 r90; Mechanical 9 "17" at 1250.03,3055.73 h25 r90; Mechanical 9 "26" at 1072.86,3055.73 h25 r90; Mechanical 9 "37" at 921.29,2943.53 h25 r90; Mechanical 9 "49" at 954.75,2693.53 h25 r90; Mechanical 9 "20" at 1190.97,3055.73 h25 r90; Mechanical 9 "10" at 1283.49,2904.16 h25 r90; Mechanical 9 "64" at 1250.03,2693.53 h25 r90; Mechanical 9 "60" at 1171.29,2693.53 h25 r90; Mechanical 9 "29" at 1013.81,3055.73 h25 r90; Mechanical 9 "61" at 1190.97,2693.53 h25 r90; Mechanical 9 "21" at 1171.29,3055.73 h25 r90; Mechanical 9 "65" at 1102.39,2874.63 h25 r90; Mechanical 9 "63" at 1230.34,2693.53 h25 r90; Mechanical 9 "4" at 1283.49,2776.05 h25 r90; Mechanical 9 "2" at 1283.49,2736.68 h25 r90; Mechanical 9 "24" at 1112.23,3055.73 h25 r90; Mechanical 9 "30" at 994.12,3055.73 h25 r90; Mechanical 9 "23" at 1131.92,3055.73 h25 r90; Mechanical 9 "42" at 921.29,2845.1 h25 r90; Mechanical 9 "56" at 1092.55,2693.53 h25 r90; Mechanical 9 "27" at 1053.18,3055.73 h25 r90; Mechanical 9 "58" at 1131.92,2693.53 h25 r90; Mechanical 9 "19" at 1210.66,3055.73 h25 r90; Mechanical 9 "22" at 1151.6,3055.73 h25 r90; Mechanical 9 "28" at 1033.49,3055.73 h25 r90; Mechanical 9 "18" at 1230.34,3055.73 h25 r90; Mechanical 9 "62" at 1210.66,2693.53 h25 r90; Mechanical 9 "25" at 1092.55,3055.73 h25 r90